# Altium PCB HDLab-v1.PcbDoc (part 2 of 2)
Units mm, origin at the board's own origin, x right, y up, seen from the top; angles counter-clockwise.
Board outline 142.6 x 82.6 mm, 2 copper layers (Top Layer, Bottom Layer); 120 components, 185 nets, 716 pads, 398 vias.
Unrouted connection lines stored in the file: 6.
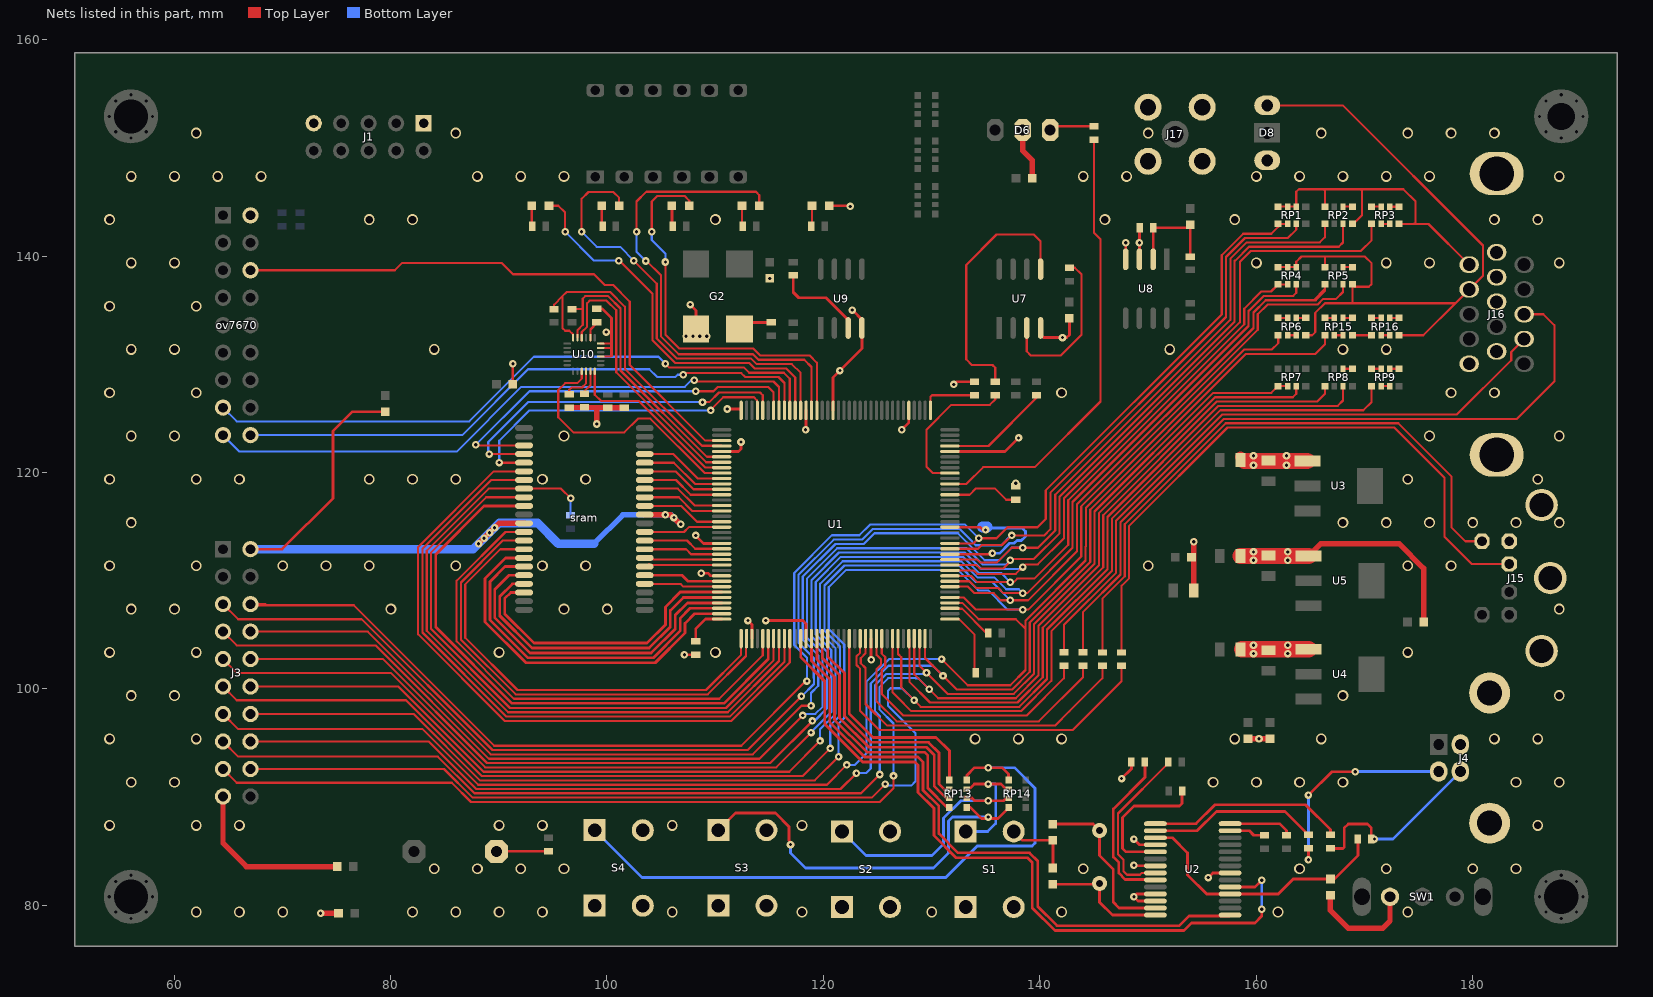
[diagram p2: the nets of this part, all layers, seen from the top]

## Via types
v1: diameter 0.7, hole 0.3, Top Layer to Bottom Layer, tented both sides, 254 vias
v2: diameter 1, hole 0.7, Top Layer to Bottom Layer, tented both sides, 144 vias

## Nets (pads, with @x,y where several pads share a name; then routed paths per layer and width w, separated by ;. In a path a pad name is that pad's centre, name@x,y a point inside that pad or via, vN(x,y) a via of type N, cw(c..) or ccw(c..) an arc to the next point about the centre after c; other vN are vias at no path point) (continued)
GND: C1.1 C2.2 C3.1 C4.1 C5.2 C6.2 C7.2 C8.2 C9.2 C10.2 C11.2 C12.2 C13.2 C14.2 C15.2 C16.2 C17.2 C18.2 C19.2 C20.2 C21.2 C23.1 C24.2 C25.1 C26.1 D1.2 D6.2 D8.1 G2.4 J1.1 J1.9 J3.2 J3.19 J4.4 J4.5 J4.6 J15.3 J15.S J16.5 J16.6 J16.7 J16.8 J16.10 J16.16 J16.17 J17.2 ov7670.2 R2.2 R3.2 R15.2 R18.2 R32.2 R41.2 S1.2 S2.2 S3.2 S4.2 sram.12 sram.34 SW1.1 U1.3 U1.13 U1.25 U1.49 U1.54 U1.68 U1.77 U1.91 U1.96 U1.108 U1.113 U1.130 U1.136 U2.7 U2.18 U2.21 U2.25 U2.26 U3.1 U4.1 U5.1 U7.4 U8.3 U8.4 U9.4 U10.15 U10.17 U10.18 | length 257.3
  Top Layer w0.2: U10.15@99.426,130.711 100.358,130.711 100.432,130.785 ; U10.17@99.426,131.511 100.366,131.511 100.432,131.445 ; U10.18@99.426,131.911 100.39,131.911 100.39,131.868
  Top Layer w0.254: J3.2@67.056,112.903 69.977,112.903 74.676,117.602 74.676,123.825 76.466,125.615 C13.2@79.502,125.615 ; C14.2@91.301,128.143 91.301,130.036 v1(91.313,130.048) ; C23.1@99.06,135.115 99.581,135.115 100.432,134.264 100.432,132.969 ; v1(99.949,132.969) 100.432,132.969 ; 100.432,130.785 100.432,131.445 100.432,132.969 ; v1(107.162,103.15) R3.2@108.204,103.15 R3.2@108.458,103.15 ; v1(107.696,135.509) 108.236,134.969 G2.4@108.236,132.255 ; v1(108.204,114.173) 108.938,113.439 U1.130@110.608,113.439 ; v1(108.712,110.668) 109.372,110.668 109.601,110.439 U1.136@110.608,110.439 ; U1.113@110.608,121.939 112.16,121.939 112.395,122.174 v1(112.395,122.809) ; v1(111.125,125.857) 112.29,125.857 U1.108@112.408,125.739 ; v1(113.03,106.299) 113.408,105.921 U1.3@113.408,104.639 ; v1(114.681,106.299) 118.11,106.299 118.408,106.001 U1.13@118.408,104.639 ; v1(118.364,123.952) 118.408,123.996 U1.96@118.408,125.739 ; D1.2@120.561,144.653 122.428,144.653 v1@122.555,144.526 ; U1.91@120.908,125.739 120.908,128.782 v1(121.539,129.413) 123.571,131.445 U9.4@123.571,133.35 123.571,134.112 v1(122.682,135.001) ; U1.25@124.408,104.639 124.408,102.708 v1(124.431,102.685) ; v1(127.254,123.952) 127.908,124.606 U1.77@127.908,125.739 ; U1.49@131.708,112.439 135.553,112.439 v1(135.636,112.522) ; U1.54@131.708,114.939 134.493,114.939 134.751,114.681 v1(135.001,114.681) ; U1.68@131.708,121.939 136.798,121.939 v1(138.049,123.19) ; v1(132.067,128.13) 132.308,128.371 R15.2@133.985,128.371 ; S1.2@137.605,86.804 138.418,85.991 C3.1@141.224,85.991 C1.1@141.224,83.427 ; U7.4@140.081,132.744 140.364,132.461 142.494,132.461 142.748,132.715 C17.2@142.748,134.251 ; v1(147.574,91.694) 148.489,92.609 R18.2@148.489,93.218 ; U8.4@147.955,139.7 v1(147.955,141.224) ; v1(148.717,86.106) 149.243,85.58 U2.18@150.703,85.58 ; v1@149.035,83.63 U2.21@150.703,83.63 ; U8.3@149.225,139.7 v1(149.225,141.224) 149.225,142.595 R32.2@149.251,142.621 ; U2.26@150.703,80.38 149.109,80.38 v1(148.717,80.772) 148.975,81.03 U2.25@150.703,81.03 ; v1(155.575,82.55) 156.005,82.98 U2.7@157.603,82.98
  Top Layer w0.5: J3.19@64.516,90.043 64.516,85.725 66.675,83.566 C15.2@75.069,83.566 ; v1(73.533,79.248) C21.2@75.196,79.248 ; v1(88.138,113.411) v1(89.616,114.889) 90.024,115.297 sram.12@92.342,115.297 ; C26.1@96.52,125.997 99.06,125.997 ; v1@99.06,124.46 99.06,125.997 ; C25.1@100.076,125.975 C24.2@101.6,125.975 ; 100.838,125.997 99.06,125.997 ; sram.34@103.492,116.097 105.899,116.097 v1@106.807,115.189 ; D6.2@138.43,151.638 138.43,149.733 139.307,148.856 C16.2@139.307,147.193 ; C2.2@154.239,109.093 v1(154.239,113.599) v1@154.305,113.665 ; C19.2@159.258,95.389 C18.2@161.29,95.389 ; U5.1@164.867,112.282 165.996,113.411 173.228,113.411 175.502,111.137 C20.2@175.502,106.172 ; C4.1@166.878,80.911 166.878,79.502 168.529,77.851 171.704,77.851 172.387,78.534 SW1.1@172.387,80.772
  Top Layer w1: C7.2@158.557,121.412 C7.2@158.924,121.045
  Top Layer w1.5: C5.2@158.557,112.268 158.571,112.282 U5.1@164.867,112.282 ; C6.2@158.698,103.646 U4.1@164.867,103.646 ; C7.2@158.924,121.045 U3.1@164.74,121.045
  Bottom Layer w0.254: v1(135.001,114.681) 135.065,114.617 135.129,114.617 135.363,114.85 138.388,114.85 138.684,114.554 138.684,114.088 138.303,113.707 137.905,113.707 137.655,113.457 137.237,113.457 136.302,112.522 v1(135.636,112.522)
  Bottom Layer w0.5: 98.806,113.411 101.473,116.078 105.942,116.078 v1(106.819,115.201)
  Bottom Layer w0.8: J3.2@67.056,112.903 87.63,112.903 v1(89.616,114.889) 90.043,115.316 93.599,115.316 95.504,113.411 98.806,113.411
  Bottom Layer w1: 134.726,114.956 v1@135.152,114.956
  other v1: 148.717,83.693 160.274,95.377 159.766,103.251 162.941,103.251 159.766,104.013 162.941,104.013 159.766,111.887 162.941,111.887 159.766,112.649 162.941,112.649 88.646,113.919 89.154,114.427 106.196,115.824 105.41,116.078 137.795,118.999 159.766,120.65 162.814,120.65 159.766,121.539 162.814,121.539 99.072,124.472 142.113,132.461 107.315,132.588 107.95,132.588 108.585,132.588 109.22,132.588 115.062,137.922 122.492,144.589
  other v2: 62.033,79.365 66.033,79.365 70.033,79.365 82.033,79.365 86.033,79.365 90.033,79.365 94.033,79.365 106.033,79.365 118.033,79.365 130.033,79.365 142.033,79.365 162.033,79.365 174.033,79.365 84.033,83.365 88.033,83.365 92.033,83.365 96.033,83.365 144.033,83.365 164.033,83.365 172.033,83.365 180.033,83.365 184.033,83.365 54.033,87.365 62.033,87.365 66.033,87.365 90.033,87.365 94.033,87.365 106.033,87.365 118.033,87.365 186.033,87.365 56.033,91.365 60.033,91.365 156.033,91.365 160.033,91.365 164.033,91.365 168.033,91.365 184.033,91.365 188.033,91.365 54.033,95.365 62.033,95.365 134.033,95.365 138.033,95.365 142.033,95.365 158.033,95.365 166.033,95.365 182.033,95.365 186.033,95.365 56.033,99.365 60.033,99.365 168.033,99.365 188.033,99.365 54.033,103.365 62.033,103.365 90.033,103.365 110.033,103.365 174.033,103.365 56.033,107.365 60.033,107.365 80.033,107.365 96.033,107.365 100.033,107.365 188.033,107.365 54.033,111.365 62.033,111.365 70.033,111.365 74.033,111.365 78.033,111.365 86.033,111.365 94.033,111.365 98.033,111.365 150.033,111.365 174.033,111.365 178.033,111.365 56.033,115.365 168.033,115.365 172.033,115.365 176.033,115.365 180.033,115.365 184.033,115.365 188.033,115.365 54.033,119.365 62.033,119.365 66.033,119.365 78.033,119.365 82.033,119.365 86.033,119.365 94.033,119.365 98.033,119.365 174.033,119.365 186.033,119.365 56.033,123.365 60.033,123.365 96.033,123.365 176.033,123.365 188.033,123.365 54.033,127.365 62.033,127.365 142.033,127.365 178.033,127.365 182.033,127.365 56.033,131.365 60.033,131.365 84.033,131.365 152.033,131.365 168.033,131.365 172.033,131.365 54.033,135.365 62.033,135.365 56.033,139.365 60.033,139.365 160.033,139.365 172.033,139.365 176.033,139.365 188.033,139.365 54.033,143.365 78.033,143.365 82.033,143.365 110.033,143.365 146.033,143.365 158.033,143.365 182.033,143.365 186.033,143.365 56.033,147.365 60.033,147.365 64.033,147.365 68.033,147.365 88.033,147.365 92.033,147.365 96.033,147.365 144.033,147.365 148.033,147.365 160.033,147.365 164.033,147.365 168.033,147.365 172.033,147.365 176.033,147.365 188.033,147.365 62.033,151.365 86.033,151.365 150.033,151.365 166.033,151.365 174.033,151.365 178.033,151.365 182.033,151.365
GREEN: D8.3 J16.2 RP4.6 RP4.7 RP4.8 RP5.4 RP5.8 RP6.4 RP16.4 | length 70.3
  Top Layer w0.2: D8.3@161.036,153.924 168.021,153.924 180.975,140.97 180.975,138.18 J16.2@179.705,136.91 178.431,135.636 ; RP4.8@162.047,138.976 RP4.7@162.922,138.976 RP4.6@163.722,138.976 163.722,139.465 164.211,139.954 170.053,139.954 170.688,139.319 170.688,137.414 170.434,137.16 169.131,137.16 RP5.4@168.915,137.376 168.915,135.641 ; RP6.4@164.597,132.677 165.189,132.677 165.481,132.969 165.481,134.747 166.37,135.636 178.431,135.636 ; RP5.8@166.365,138.976 166.365,139.822 ; RP16.4@173.233,132.677 175.472,132.677 178.431,135.636
HSWAPEN: R3.1 U1.144 | length 4
  Top Layer w0.254: R3.1@108.458,104.394 108.204,104.648 108.204,105.537 109.106,106.439 U1.144@110.608,106.439
HSYNC: R38.2 U1.26 | length 28.8
  Top Layer w0.2: U1.26@124.908,104.639 124.908,103.127 124.911,103.124 124.949,103.124 125.33,102.743 125.33,102.215 124.908,101.793 124.908,98.866 126.784,96.99 139.916,96.99 144.018,101.092 R38.2@144.018,102.134
INIT_B: R10.1 U1.39 | length 4.5
  Top Layer w0.2: U1.39@131.708,107.439 131.758,107.389 132.837,107.389 135.07,105.156 R10.1@135.255,105.156
IRDA: R33.1 U1.62 | length 41.5
  Top Layer w0.2: U1.62@131.708,118.939 133.246,118.939 134.792,120.485 139.549,120.485 145.624,126.56 145.624,141.537 145.034,142.127 R33.1@145.034,150.749
KEY1: RP13.4 U1.15 | length 23.9
  Top Layer w0.254: U1.15@119.408,104.639 119.408,102.713 121.046,101.075 121.046,97.119 124.023,94.142 129.364,94.142 129.667,93.839 129.667,90.805 131.45,89.022 RP13.4@131.661,89.022
KEY2: RP13.3 U1.16 | length 22.9
  Top Layer w0.254: U1.16@119.908,104.639 119.908,102.855 121.5,101.263 121.5,97.307 124.211,94.596 129.552,94.596 130.248,93.9 130.248,90.998 131.349,89.897 RP13.3@131.661,89.897
KEY3: RP13.2 U1.17 | length 22
  Top Layer w0.254: U1.17@120.408,104.639 120.408,102.997 121.954,101.451 121.954,97.495 124.399,95.05 129.74,95.05 130.702,94.088 130.702,91.186 131.191,90.697 RP13.2@131.661,90.697
KEY4: RP13.1 U1.21 | length 20.3
  Top Layer w0.254: U1.21@122.408,104.639 122.408,97.683 124.587,95.504 130.429,95.504 131.661,94.272 RP13.1@131.661,91.572
LED1: D3.2 U1.94 | length 36.6
  Top Layer w0.2: v1(104.14,142.24) 104.14,145.034 104.648,145.542 107.188,145.542 107.607,145.123 D3.2@107.607,144.653 ; v1(105.41,139.446) 105.41,132.715 106.68,131.445 113.538,131.445 114.173,130.81 118.745,130.81 119.408,130.147 U1.94@119.408,125.739
  Bottom Layer w0.2: v1(104.14,142.24) 104.14,141.478 105.41,140.208 v1(105.41,139.446)
LED2: D2.2 U1.95 | length 45.4
  Top Layer w0.2: v1(102.743,142.24) 102.743,145.034 103.651,145.942 113.773,145.942 114.084,145.631 D2.2@114.084,144.653 ; v1(103.6,139.541) 103.632,139.573 105.01,138.195 105.01,132.549 106.641,130.918 113.499,130.918 114.007,130.41 118.237,130.41 118.908,129.739 U1.95@118.908,125.739
  Bottom Layer w0.2: v1(102.743,142.24) 102.743,140.398 v1(103.6,139.541)
LED3: D4.2 U1.97 | length 39.8
  Top Layer w0.2: v1(97.663,142.24) 97.663,145.288 98.298,145.923 100.584,145.923 101.13,145.377 D4.2@101.13,144.653 ; v1(102.489,139.573) 104.61,137.452 104.61,132.384 106.476,130.518 113.334,130.518 113.842,130.01 117.094,130.01 117.908,129.196 U1.97@117.908,125.739
  Bottom Layer w0.2: v1(97.663,142.24) 99.06,140.843 101.219,140.843 v1(102.489,139.573)
LED4: D5.2 U1.98 | length 36.3
  Top Layer w0.2: D5.2@94.653,144.653 95.504,144.653 96.139,144.018 v1(96.139,142.24) ; v1(101.092,139.573) 100.965,139.446 101.277,139.446 104.21,136.513 104.21,132.218 106.31,130.118 113.157,130.118 113.665,129.61 116.576,129.61 117.408,128.778 U1.98@117.408,125.739
  Bottom Layer w0.2: v1(96.139,142.24) 98.806,139.573 100.838,139.573 100.965,139.446 v1(101.092,139.573)
M0: R1.1 U1.69 | length 10.1
  Top Layer w0.2: U1.69@131.708,122.439 135.266,122.439 139.7,126.873 R1.1@139.7,127.127
M1: R2.1 U1.60 | length 6.8
  Top Layer w0.2: U1.60@131.708,117.939 133.53,117.939 134.112,118.521 135.86,118.521 136.906,117.475 R2.1@137.795,117.475
MOSI: R16.2 U1.64 | length 13.8
  Top Layer w0.2: U1.64@131.708,119.939 130.124,119.939 129.54,120.523 129.54,123.952 131.826,126.238 135.382,126.238 135.89,126.746 R16.2@135.89,127.153
MPU-D0: U1.117 U10.9 | length 24.1
  Top Layer w0.2: U10.9@97.676,129.361 97.676,128.664 97.266,128.254 97.184,128.254 97.181,128.251 96.139,128.251 95.504,127.616 95.504,125.095 96.901,123.698 101.6,123.698 102.87,124.968 104.013,124.968 109.042,119.939 U1.117@110.608,119.939
MPU-D1: U1.116 U10.12 | length 16.7
  Top Layer w0.2: U10.12@98.876,129.361 98.876,127.184 99.463,126.597 102.95,126.597 109.108,120.439 U1.116@110.608,120.439
MPU-D2: R43.2 U1.112 U10.24 | length 31.9
  Top Layer w0.2: R43.2@95.123,135.102 95.123,135.509 95.885,136.271 ; U10.24@96.876,132.461 96.876,132.74 96.52,133.096 96.139,133.096 95.885,133.35 95.885,136.271 ; 108.805,122.439 U1.112@110.608,122.439 110.558,122.489 108.755,122.489 101.659,129.585 101.659,135.312 100.28,136.69 96.304,136.69 95.885,136.271
MPU-D3: R44.2 U1.114 U10.23 | length 27.3
  Top Layer w0.2: R44.2@96.774,135.102 97.67,135.102 97.771,135.001 ; U10.23@97.276,132.461 97.276,133.147 97.771,133.643 97.771,135.001 ; U1.114@110.608,121.439 109.239,121.439 101.259,129.42 101.259,135.146 100.115,136.29 98.005,136.29 97.771,136.056 97.771,135.001
MPU-D4: U1.115 U10.22 | length 25.7
  Top Layer w0.2: U10.22@97.676,132.207 97.676,132.982 98.171,133.477 98.171,135.636 98.425,135.89 99.949,135.89 100.859,134.98 100.859,129.254 109.173,120.939 U1.115@110.608,120.939
NetC1_2: C1.2 G1.2 U2.28 | length 11.8
  Top Layer w0.254: C1.2@141.224,81.927 145.454,81.927 G1.2@145.542,82.015 145.542,80.264 146.726,79.08 U2.28@150.703,79.08
NetC3_2: C3.2 G1.1 U2.27 | length 15.8
  Top Layer w0.254: C3.2@141.224,87.491 144.946,87.491 G1.1@145.542,86.895 145.542,84.582 146.812,83.312 146.812,80.264 147.346,79.73 U2.27@150.703,79.73
NetC4_2: C4.2 R20.1 U2.4 U2.17 | length 25.1
  Top Layer w0.254: U2.17@150.703,86.23 152.276,86.23 153.67,84.836 153.67,82.804 155.444,81.03 U2.4@157.603,81.03 162.056,81.03 163.437,82.411 C4.2@166.878,82.411 167.247,82.411 169.418,84.582 R20.1@169.418,86.106
NetC22_2: C22.2 R17.1 R32.1 U8.2 | length 9.4
  Top Layer w0.254: U8.2@150.495,139.7 R32.1@150.495,142.621 153.658,142.621 C22.2@153.924,142.887 R17.1@153.924,139.954
NetC23_2: C23.2 U10.20 | length 1.9
  Top Layer w0.2: U10.20@98.476,132.207 U10.20@98.476,132.461 98.476,133.216 99.06,133.8 C23.2@99.06,133.871
NetC26_2: C26.2 U10.10 | length 3.2
  Top Layer w0.2: C26.2@96.52,127.368 96.52,127.635 96.736,127.851 97.347,127.851 97.35,127.854 97.697,127.854 98.076,128.232 U10.10@98.076,129.361
NetD1_1: D1.1 R25.2 | length 1.8
  Top Layer w0.2: R25.2@118.961,142.811 D1.1@118.961,144.653
NetD2_1: D2.1 R26.2 | length 1.8
  Top Layer w0.2: R26.2@112.484,142.812 D2.1@112.484,144.653
NetD3_1: D3.1 R28.2 | length 1.9
  Top Layer w0.254: D3.1@106.007,144.653 106.007,142.812 R28.2@106.071,142.748
NetD4_1: D4.1 R29.2 | length 1.8
  Top Layer w0.2: R29.2@99.53,142.812 D4.1@99.53,144.653
NetD5_1: D5.1 R30.2 | length 1.8
  Top Layer w0.2: R30.2@93.053,142.812 D5.1@93.053,144.653
NetD6_1: D6.1 R33.2 | length 4.2
  Top Layer w0.254: D6.1@140.97,151.638 141.325,151.993 R33.2@145.034,151.993
NetG2_3: G2.1 R12.1 | length 3.1
  Top Layer w0.254: G2.1@112.236,133.398 112.696,133.858 R12.1@115.189,133.858
NetJ4_2: J4.2 R22.2 | length 20
  Top Layer w0.254: v1(164.846,84.201) R22.2@164.846,85.243 ; v1(164.846,90.17) 167.005,92.329 v1(169.164,92.329)
  Bottom Layer w0.254: v1(164.846,84.201) v1(164.846,90.17) ; v1(169.164,92.329) 169.184,92.349 J4.2@176.887,92.349
NetJ4_3: J4.3 R20.2 R24.2 | length 17.5
  Top Layer w0.254: R24.2@166.878,85.243 168.047,85.243 168.148,85.344 168.148,87.122 168.529,87.503 170.307,87.503 170.662,87.148 R20.2@170.662,86.106
  Bottom Layer w0.254: v1(170.942,86.106) 172.644,86.106 J4.3@178.887,92.349
NetJ15_1: J15.1 R35.2 | length 59.3
  Top Layer w0.2: R35.2@147.574,103.352 147.574,109.532 148.272,110.23 148.272,115.056 157.365,124.149 172.777,124.149 177.419,119.507 177.419,114.046 179.929,111.536 J15.1@183.397,111.536
NetJ15_5: J15.5 R36.2 | length 56.9
  Top Layer w0.2: R36.2@145.796,103.352 145.796,108.32 147.872,110.396 147.872,115.222 157.199,124.549 173.139,124.549 178.054,119.634 178.054,114.935 179.353,113.636 J15.5@180.897,113.636
NetJ16_13: J16.13 R38.1 | length 67.4
  Top Layer w0.2: R38.1@144.018,103.378 144.018,107.108 147.472,110.562 147.472,115.388 157.033,124.949 184.131,124.949 187.579,128.397 187.579,133.604 186.563,134.62 J16.13@184.785,134.62
NetJ16_14: J16.14 R39.1 | length 59.3
  Top Layer w0.2: R39.1@142.24,103.378 142.24,105.895 147.072,110.727 147.072,115.553 156.868,125.349 178.562,125.349 183.585,130.372 183.585,131.13 J16.14@184.785,132.33
NetLS1_-: LS1.- R27.2 | length 4.8
  Top Layer w0.2: LS1.-@89.789,84.963 89.815,84.989 R27.2@94.615,84.989
NetR13_2: R13.2 U7.3 | length 14.5
  Top Layer w0.2: U7.3@138.811,132.744 138.811,131.191 139.192,130.81 141.958,130.81 143.863,132.715 143.863,138.303 143.253,138.912 R13.2@142.748,138.912
NetR16_1: R16.1 U7.5 | length 23.1
  Top Layer w0.2: R16.1@135.89,128.397 135.89,129.667 135.636,129.921 133.731,129.921 133.208,130.444 133.208,139.177 136.017,141.986 139.446,141.986 140.081,141.351 U7.5@140.081,139.544
NetR18_1: R18.1 U2.23 | length 15.3
  Top Layer w0.254: R18.1@149.733,93.218 149.733,91.821 146.812,88.9 146.812,84.455 147.32,83.947 147.32,82.962 147.905,82.377 150.656,82.377 U2.23@150.703,82.33
NetR19_1: R19.1 U2.22 | length 15.3
  Top Layer w0.2: U2.22@150.703,82.98 149.448,82.98 149.272,82.804 148.082,82.804 147.747,83.139 147.747,84.201 147.239,84.709 147.239,88.469 R19.1@151.892,93.122
NetR21_2: R21.2 U2.13 | length 3.4
  Top Layer w0.254: U2.13@157.603,86.88 159.373,86.88 159.792,86.461 R21.2@160.782,86.461
NetR22_1: R22.1 U2.16 | length 15.8
  Top Layer w0.254: U2.16@150.703,86.88 154.571,86.88 156.337,88.646 162.687,88.646 R22.1@164.846,86.487
NetR23_2: R23.2 U2.14 | length 5.9
  Top Layer w0.254: U2.14@157.603,87.53 162.179,87.53 162.814,86.895 R23.2@162.814,86.461
NetR24_1: R24.1 U2.15 | length 18.4
  Top Layer w0.254: U2.15@150.703,87.53 154.459,87.53 156.21,89.281 164.592,89.281 166.878,86.995 R24.1@166.878,86.487
NetR31_2: R31.2 U9.3 | length 8.3
  Top Layer w0.254: R31.2@117.221,138.202 117.221,136.652 117.729,136.144 120.269,136.144 122.301,134.112 U9.3@122.301,133.477
NetR37_1: R37.1 U2.19 | length 13.2
  Top Layer w0.254: U2.19@150.703,84.93 147.988,84.93 147.666,85.252 147.666,88.103 148.717,89.154 152.908,89.154 153.162,89.408 R37.1@153.162,90.551
NetR41_1: R41.1 U10.11 | length 2.1
  Top Layer w0.2: R41.1@97.917,127.508 98.476,128.067 U10.11@98.476,129.361
NetRP2_5: RP2.5 RP2.6 | length 0.9
  Top Layer w0.2: RP2.6@168.04,144.564 RP2.5@168.915,144.564
NetRP3_2: RP3.2 RP3.3 | length 0.8
  Top Layer w0.2: RP3.2@171.558,142.964 RP3.3@172.358,142.964
NetRP3_5: RP3.5 RP3.6 | length 0.9
  Top Layer w0.254: RP3.6@172.358,144.564 RP3.5@173.233,144.564
NetRP3_7: RP3.7 RP3.8 | length 0.9
  Top Layer w0.2: RP3.8@170.683,144.564 RP3.7@171.558,144.564
NetRP5_5: RP5.5 RP5.6 | length 0.9
  Top Layer w0.2: RP5.6@168.04,138.976 RP5.5@168.915,138.976
NetRP6_2: RP6.2 RP6.3 | length 0.8
  Top Layer w0.2: RP6.2@162.922,132.677 RP6.3@163.722,132.677
NetRP6_5: RP6.5 RP6.6 | length 0.9
  Top Layer w0.2: RP6.6@163.722,134.277 RP6.5@164.597,134.277
NetRP6_7: RP6.7 RP6.8 | length 0.9
  Top Layer w0.2: RP6.8@162.047,134.277 RP6.7@162.922,134.277
NetRP8_5: RP8.5 RP8.6 | length 0.9
  Top Layer w0.2: RP8.6@168.04,129.578 RP8.5@168.915,129.578
NetRP9_2: RP9.2 RP9.3 | length 0.8
  Top Layer w0.2: RP9.2@171.558,127.978 RP9.3@172.358,127.978
NetRP9_5: RP9.5 RP9.6 | length 0.9
  Top Layer w0.2: RP9.6@172.358,129.578 RP9.5@173.233,129.578
NetRP9_7: RP9.7 RP9.8 | length 0.9
  Top Layer w0.2: RP9.8@170.683,129.578 RP9.7@171.558,129.578
NetRP15_2: RP15.2 RP15.3 | length 0.8
  Top Layer w0.2: RP15.2@167.24,132.677 RP15.3@168.04,132.677
NetRP15_4: RP15.4 RP16.1 | length 1.8
  Top Layer w0.2: RP15.4@168.915,132.677 RP16.1@170.683,132.677
NetRP15_5: RP15.5 RP15.6 | length 0.9
  Top Layer w0.2: RP15.6@168.04,134.277 RP15.5@168.915,134.277
NetRP15_7: RP15.7 RP15.8 | length 0.9
  Top Layer w0.2: RP15.8@166.365,134.277 RP15.7@167.24,134.277
NetRP16_2: RP16.2 RP16.3 | length 0.8
  Top Layer w0.2: RP16.2@171.558,132.677 RP16.3@172.358,132.677
NetRP16_5: RP16.5 RP16.6 | length 0.9
  Top Layer w0.2: RP16.6@172.358,134.277 RP16.5@173.233,134.277
NetRP16_7: RP16.7 RP16.8 | length 0.9
  Top Layer w0.2: RP16.8@170.683,134.277 RP16.7@171.558,134.277
OV-OC: ov7670.17 U1.101 | length 57.4
  Top Layer w0.2: ov7670.17@64.516,123.444 ov7670.17@64.516,123.571 ; v1@108.077,128.46 108.013,128.397 115.4,128.397 115.908,127.889 U1.101@115.908,125.739
  Bottom Layer w0.2: ov7670.17@64.516,123.444 66.04,121.92 86.106,121.92 92.094,127.908 107.188,127.908 107.804,128.524 v1(108.077,128.524)
OV-OD: ov7670.18 U1.100 | length 55.2
  Top Layer w0.2: v1(107.061,129.032) 107.203,129.174 112.412,129.174 112.776,128.81 115.868,128.81 116.408,128.27 U1.100@116.408,125.739
  Bottom Layer w0.2: ov7670.18@67.056,123.444 86.614,123.444 92.71,129.54 103.918,129.54 104.648,128.81 106.331,128.81 106.553,129.032 v1(107.061,129.032)
OV-PO: ov7670.15 U1.99 | length 59.1
  Top Layer w0.2: v1(105.41,130.048) 105.776,129.682 112.685,129.682 113.157,129.21 116.349,129.21 116.908,128.651 U1.99@116.908,125.739
  Bottom Layer w0.2: ov7670.15@64.516,125.984 65.786,124.714 87.279,124.714 93.248,130.683 104.775,130.683 v1(105.41,130.048)
OV-RES: ov7670.6 U1.111 | length 54.1
  Top Layer w0.2: ov7670.6@67.056,138.684 80.391,138.684 81.049,139.342 90.297,139.342 91.322,138.317 98.8,138.317 99.794,137.323 100.571,137.323 102.108,135.786 102.108,129.921 109.09,122.939 U1.111@110.608,122.939
PROGRAM_B: R11.1 U1.37 | length 6.5
  Top Layer w0.2: U1.37@131.708,106.439 132.556,106.439 133.966,105.029 133.966,101.619 R11.1@134.112,101.473
PS2_CLK: R36.1 U1.24 | length 32.1
  Top Layer w0.2: U1.24@123.908,104.639 123.908,103.276 123.463,102.831 123.463,102.365 123.908,101.92 123.908,98.596 125.914,96.59 141.421,96.59 142.748,97.917 145.796,100.965 R36.1@145.796,102.108
PS2_DAT: R35.1 U1.23 | length 35.1
  Top Layer w0.2: U1.23@123.408,104.639 123.408,103.342 123.063,102.997 123.063,102.199 123.408,101.854 123.408,97.953 125.171,96.19 143.053,96.19 147.574,100.711 R35.1@147.574,102.108
RED: J16.1 RP1.6 RP1.7 RP1.8 RP2.4 RP2.8 RP3.4 | length 30.2
  Top Layer w0.2: RP1.8@162.047,144.564 RP1.7@162.922,144.564 RP1.6@163.722,144.564 163.722,145.942 163.957,146.177 166.243,146.177 ; RP2.8@166.365,144.564 166.365,146.055 166.243,146.177 ; RP2.4@168.915,142.964 168.999,142.964 169.799,143.764 169.799,146.05 169.672,146.177 ; RP3.4@173.233,142.964 174.587,142.964 ; J16.1@179.705,139.2 175.941,142.964 174.587,142.964 ; 166.243,146.177 169.672,146.177 ; 169.672,146.177 173.609,146.177 174.752,145.034 174.752,143.129 174.587,142.964
RSTN: RP13.8 RP14.1 S4.1 | length 59.4
  Top Layer w0.254: RP13.8@133.261,91.572 133.261,91.986 133.985,92.71 v1(135.255,92.71) 136.525,92.71 137.122,92.113 RP14.1@137.122,91.572
  Bottom Layer w0.254: S4.1@98.87,86.931 103.251,82.55 131.318,82.55 134.23,85.462 139.31,85.462 139.573,85.725 139.573,90.805 137.668,92.71 v1(135.255,92.71)
RXD: U1.12 U2.5 | length 69.6
  Top Layer w0.254: U1.12@117.908,104.639 117.908,102.929 120.138,100.699 120.138,96.743 123.647,93.234 128.489,93.234 128.759,92.964 128.759,90.429 130.229,88.959 130.229,86.426 132.273,84.382 138.877,84.382 139.319,83.94 139.319,79.749 141.417,77.651 153.343,77.651 154.051,78.359 159.893,78.359 160.528,78.994 v1(160.528,79.629) ; U2.5@157.603,81.68 159.912,81.68 v1(160.528,82.296)
  Bottom Layer w0.254: v1(160.528,79.629) v1(160.528,82.296)
SDRAM_A0: sram.3 U1.102 | length 36.6
  Top Layer w0.2: v1@87.942,122.497 sram.3@92.977,122.497 ; v1(108.204,127.508) 109.855,127.508 110.236,127.889 114.9,127.889 115.408,127.381 U1.102@115.408,125.739
  Bottom Layer w0.2: v1(87.884,122.555) 92.837,127.508 v1(108.204,127.508)
SDRAM_A1: sram.4 U1.104 | length 33.8
  Top Layer w0.2: v1(89.123,121.697) sram.4@92.977,121.697 ; v1(108.839,126.492) 109.474,126.492 110.363,127.381 114.154,127.381 114.408,127.127 U1.104@114.408,125.739
  Bottom Layer w0.2: v1(89.123,121.697) 89.027,121.793 89.027,122.809 92.71,126.492 v1(108.839,126.492)
SDRAM_A2: sram.5 U1.105 | length 31.5
  Top Layer w0.2: v1(90.043,120.904) 90.05,120.897 sram.5@92.977,120.897 ; v1(109.601,125.73) 109.601,125.796 110.744,126.939 113.594,126.939 113.858,126.675 113.858,125.789 U1.105@113.908,125.739
  Bottom Layer w0.2: v1(90.043,120.904) 90.043,122.936 92.837,125.73 v1(109.601,125.73)
SDRAM_A3: sram.6 U1.10 | length 63.5
  Top Layer w0.2: sram.6@92.977,120.097 sram.6@92.342,120.097 89.545,120.097 82.55,113.102 82.55,111.633 82.55,105.029 90.551,97.028 111.506,97.028 116.908,102.43 U1.10@116.908,104.639
SDRAM_A4: sram.7 U1.9 | length 61.3
  Top Layer w0.2: sram.7@92.977,119.297 sram.7@92.342,119.297 89.311,119.297 82.95,112.936 82.95,105.195 90.717,97.428 111.34,97.428 116.408,102.496 U1.9@116.408,104.639
SDRAM_A5: sram.16 U1.143 | length 34.9
  Top Layer w0.254: sram.16@92.977,112.097 90.634,112.097 88.735,110.198 88.735,106.182 92.509,102.408 104.468,102.408 107.226,105.166 107.226,106.045 108.12,106.939 U1.143@110.608,106.939
SDRAM_A6: sram.17 U1.142 | length 33.3
  Top Layer w0.254: sram.17@92.977,111.297 90.596,111.297 89.189,109.89 89.189,106.37 92.697,102.862 104.28,102.862 106.772,105.354 106.772,106.512 107.699,107.439 U1.142@110.608,107.439
SDRAM_A7: sram.18 U1.141 | length 31.5
  Top Layer w0.254: sram.18@92.977,110.497 90.939,110.497 89.643,109.201 89.643,106.558 92.885,103.316 104.092,103.316 106.318,105.542 106.318,106.812 107.445,107.939 U1.141@110.608,107.939
SDRAM_A8: sram.19 U1.140 | length 29.7
  Top Layer w0.254: sram.19@92.977,109.697 91.275,109.697 90.097,108.519 90.097,106.746 93.073,103.77 103.904,103.77 105.864,105.73 105.864,107.242 107.061,108.439 U1.140@110.608,108.439
SDRAM_A9: sram.20 U1.139 | length 28.2
  Top Layer w0.254: sram.20@92.977,108.897 91.117,108.897 90.551,108.331 90.551,106.934 93.261,104.224 103.716,104.224 105.41,105.918 105.41,107.569 106.78,108.939 U1.139@110.608,108.939
SDRAM_A10: sram.26 U1.138 | length 6.6
  Top Layer w0.2: sram.26@104.127,109.697 106.807,109.697 107.065,109.439 U1.138@110.608,109.439
SDRAM_A11: sram.27 U1.137 | length 6.7
  Top Layer w0.254: sram.27@104.127,110.497 106.934,110.497 107.492,109.939 U1.137@110.608,109.939
SDRAM_A12: sram.28 U1.134 | length 6.8
  Top Layer w0.2: sram.28@103.886,111.522 103.969,111.439 U1.134@110.608,111.439
SDRAM_A13: sram.29 U1.133 | length 6.4
  Top Layer w0.2: sram.29@104.21,112.014 104.285,111.939 U1.133@110.608,111.939
SDRAM_A14: sram.30 U1.132 | length 6.7
  Top Layer w0.2: sram.30@104.127,112.897 107.321,112.897 107.779,112.439 U1.132@110.608,112.439
SDRAM_A15: sram.38 U1.121 | length 7
  Top Layer w0.2: sram.38@104.127,119.297 106.382,119.297 107.74,117.939 U1.121@110.608,117.939
SDRAM_A16: sram.39 U1.120 | length 7.2
  Top Layer w0.2: sram.39@104.127,120.097 106.344,120.097 108.002,118.439 U1.120@110.608,118.439
SDRAM_A17: sram.40 U1.119 | length 7.3
  Top Layer w0.2: sram.40@104.127,120.897 106.179,120.897 108.137,118.939 U1.119@110.608,118.939
SDRAM_A18: sram.41 U1.118 | length 7.4
  Top Layer w0.2: sram.41@104.127,121.697 106.141,121.697 108.399,119.439 U1.118@110.608,119.439
SDRAM_CS_N: R42.2 sram.8 U1.8 | length 64.7
  Top Layer w0.2: v1(96.647,117.602) 95.752,118.497 sram.8@92.342,118.497 89.076,118.497 83.35,112.771 83.35,105.36 90.882,97.828 111.175,97.828 115.908,102.561 U1.8@115.908,104.639
  Bottom Layer w0.2: R42.2@96.647,116.052 v1(96.647,117.602)
SDRAM_DQ0: sram.9 U1.7 | length 56.9
  Top Layer w0.2: sram.9@92.976,117.698 92.342,117.698 88.842,117.697 83.75,112.605 83.75,105.526 91.048,98.228 111.009,98.228 115.408,102.627 U1.7@115.408,104.639
SDRAM_DQ1: sram.10 U1.6 | length 54.9
  Top Layer w0.254: sram.10@92.977,116.897 sram.10@92.342,116.897 88.646,116.897 84.177,112.428 84.177,105.703 91.225,98.655 110.832,98.655 114.908,102.731 U1.6@114.908,104.639 U1.6@114.908,104.879
SDRAM_DQ2: sram.13 U1.5 | length 48
  Top Layer w0.2: sram.13@92.977,114.497 sram.13@92.342,114.497 90.621,114.497 86.106,109.982 86.106,104.378 91.402,99.082 110.385,99.082 114.408,103.105 U1.5@114.408,104.639
SDRAM_DQ3: sram.14 U1.2 | length 44.9
  Top Layer w0.2: sram.14@92.977,113.697 sram.14@92.342,113.697 90.387,113.697 86.506,109.816 86.506,104.543 91.567,99.482 109.319,99.482 112.858,103.021 112.858,104.589 U1.2@112.908,104.639
SDRAM_DQ4: sram.31 U1.131 | length 6.8
  Top Layer w0.2: sram.31@104.127,113.697 107.41,113.697 108.168,112.939 U1.131@110.608,112.939
SDRAM_DQ5: sram.32 U1.127 | length 6.7
  Top Layer w0.2: sram.32@104.127,114.497 107.131,114.497 107.573,114.939 U1.127@110.608,114.939
SDRAM_DQ6: sram.35 U1.126 | length 7.1
  Top Layer w0.2: sram.35@104.127,116.897 106.873,116.897 108.331,115.439 U1.126@110.608,115.439
SDRAM_DQ7: sram.36 U1.124 | length 7
  Top Layer w0.2: sram.36@104.127,117.697 106.639,117.697 107.897,116.439 U1.124@110.608,116.439
SDRAM_OEN: sram.37 U1.123 | length 7.1
  Top Layer w0.2: sram.37@104.127,118.497 106.547,118.497 108.105,116.939 U1.123@110.608,116.939
SDRAM_WE_N: sram.15 U1.1 | length 42.1
  Top Layer w0.2: sram.15@92.342,112.897 90.152,112.897 86.906,109.651 86.906,104.709 91.733,99.882 109.153,99.882 112.408,103.137 U1.1@112.408,104.639
SUSPEND: R15.1 U1.73 | length 5.4
  Top Layer w0.2: U1.73@129.908,125.739 129.908,126.987 130.048,127.127 R15.1@133.985,127.127
TXD: U1.14 U2.1 | length 59.1
  Top Layer w0.254: U1.14@118.908,104.639 118.908,102.571 120.592,100.887 120.592,96.931 123.835,93.688 128.743,93.688 129.213,93.218 129.213,90.617 130.683,89.147 130.683,86.614 132.461,84.836 139.065,84.836 139.827,84.074 139.827,79.883 141.605,78.105 152.908,78.105 153.797,78.994 157.516,78.994 U2.1@157.603,79.08
UKEY1: RP13.5 RP14.4 S3.1 | length 37.8
  Top Layer w0.254: S3.1@110.299,86.931 111.887,88.519 115.57,88.519 116.84,87.249 116.84,85.979 117.221,85.598 v1(116.967,85.598) ; RP13.5@133.261,89.022 133.609,89.022 134.62,88.011 136.144,88.011 137.122,88.989 RP14.4@137.122,89.022
  Bottom Layer w0.254: v1(116.967,85.598) 116.967,84.836 118.364,83.439 130.175,83.439 131.572,84.836 131.572,87.766 131.953,88.147 135.246,88.147 v1(135.255,88.138)
UKEY2: RP13.6 RP14.3 S2.1 | length 22.3
  Top Layer w0.254: S2.1@121.73,86.804 S2.1@121.73,87.058 ; RP13.6@133.261,89.897 133.75,89.897 133.994,89.653 v1(135.255,89.653) 136.665,89.653 136.91,89.897 RP14.3@137.122,89.897
  Bottom Layer w0.254: S2.1@121.73,86.804 123.952,84.582 130.048,84.582 131.118,85.652 131.118,88.056 132.715,89.653 v1(135.255,89.653)
UKEY3: RP13.7 RP14.2 S1.1 | length 11.6
  Top Layer w0.254: RP13.7@133.261,90.697 133.473,90.697 133.962,91.186 v1(135.255,91.186) 136.421,91.186 136.91,90.697 RP14.2@137.122,90.697
  Bottom Layer w0.254: S1.1@133.16,86.804 135.191,86.804 135.932,87.545 135.932,91.144 135.89,91.186 v1(135.255,91.186)
VB0: RP9.1 U1.29 | length 68.8
  Top Layer w0.2: U1.29@126.408,104.639 126.408,99.652 126.873,99.187 128.13,97.93 138.281,97.93 141.084,100.733 141.084,105.305 146.672,110.893 146.672,115.719 156.702,125.749 169.926,125.749 170.683,126.506 RP9.1@170.683,127.978
VB1: J3.18 RP8.3 U1.30 | length 140.5
  Top Layer w0.2: J3.18@67.056,92.583 84.948,92.583 87.596,89.935 124.479,89.935 v1(125.73,91.186) ; U1.30@126.908,104.639 126.908,103.216 127.2,102.924 127.2,100.13 v1(128.397,98.933) 129,98.33 138.115,98.33 140.684,100.899 140.684,105.471 146.272,111.059 146.272,115.885 156.536,126.149 167.551,126.149 168.04,126.638 RP8.3@168.04,127.978
  Bottom Layer w0.2: v1(125.73,91.186) 125.872,91.044 128.128,91.044 128.524,91.44 128.524,95.885 125.984,98.425 125.984,99.822 126.208,100.046 127.284,100.046 v1(128.397,98.933)
VB2: RP8.1 U1.32 | length 61.3
  Top Layer w0.2: U1.32@127.908,104.639 127.958,104.589 127.958,100.642 129.87,98.73 137.95,98.73 140.284,101.064 140.284,105.636 145.872,111.224 145.872,116.05 156.371,126.549 165.665,126.549 166.365,127.249 RP8.1@166.365,127.978
VB3: J3.17 RP7.3 U1.33 | length 136.4
  Top Layer w0.2: J3.17@64.516,92.583 65.786,91.313 85.653,91.313 87.431,89.535 99.713,89.535 125.222,89.535 126.492,90.805 v1(126.492,91.948) ; U1.33@128.408,104.639 128.408,101.335 v1(129.794,99.949) 130.613,99.13 137.784,99.13 139.884,101.23 139.884,105.802 145.472,111.39 145.472,116.216 156.205,126.949 163.398,126.949 163.722,127.273 RP7.3@163.722,127.978
  Bottom Layer w0.2: v1(126.492,91.948) 126.492,96.786 125.184,98.094 125.184,100.153 126.011,100.98 128.539,100.98 128.554,100.965 128.778,100.965 v1(129.794,99.949)
VB4: J3.15 RP7.1 RP7.2 U1.34 | length 132
  Top Layer w0.2: J3.15@64.516,95.123 65.913,93.726 84.371,93.726 87.762,90.335 123.482,90.335 v1(125.222,92.075) ; U1.34@128.908,104.639 128.908,102.105 v1(129.54,101.473) 131.483,99.53 137.618,99.53 139.484,101.396 139.484,105.968 145.072,111.556 145.072,116.382 156.039,127.349 161.418,127.349 RP7.1@162.047,127.978 RP7.2@162.922,127.978
  Bottom Layer w0.2: v1(125.222,92.075) 125.222,97.49 124.784,97.928 124.784,100.319 125.845,101.38 129.447,101.38 v1(129.54,101.473)
VG0: J3.16 RP15.1 U1.35 | length 135.1
  Top Layer w0.2: J3.16@67.056,95.123 83.54,95.123 87.928,90.735 121.596,90.735 v1(123.063,92.202) ; U1.35@129.408,104.639 129.408,102.845 v1(131.064,101.189) 132.323,99.93 137.453,99.93 139.084,101.561 139.084,106.133 144.672,111.721 144.672,116.547 159.081,130.956 165.5,130.956 166.365,131.821 RP15.1@166.365,132.677
  Bottom Layer w0.2: v1(123.063,92.202) 123.952,92.202 124.384,92.634 124.384,100.485 126.022,102.123 130.13,102.123 v1(131.064,101.189)
VG1: J3.13 RP6.1 U1.40 | length 137.2
  Top Layer w0.2: J3.13@64.516,97.663 65.913,96.266 82.962,96.266 88.093,91.135 120.345,91.135 v1(122.174,92.964) ; v1(130.937,102.743) 133.35,100.33 137.287,100.33 138.684,101.727 138.684,105.537 ; U1.40@131.708,107.939 132.853,107.939 134.366,106.426 137.795,106.426 138.684,105.537 ; 144.244,113.157 144.244,111.859 138.684,106.299 138.684,105.537 ; 144.272,113.157 144.272,116.713 158.915,131.356 161.455,131.356 162.047,131.948 RP6.1@162.047,132.677
  Bottom Layer w0.2: v1(122.174,92.964) 122.936,92.964 123.984,94.012 123.984,100.65 126.077,102.743 v1(130.937,102.743)
VG2: J3.14 RP5.3 U1.41 | length 147.6
  Top Layer w0.2: J3.14@67.056,97.663 82.131,97.663 88.259,91.535 119.221,91.535 v1(121.412,93.726) ; U1.41@131.708,108.439 132.988,108.439 134.112,107.315 v1(138.43,107.315) 138.938,107.315 143.844,112.221 143.844,116.862 160.166,133.184 160.166,134.62 161.055,135.509 165.677,135.509 166.204,136.036 167.405,136.036 168.04,136.671 RP5.3@168.04,137.376
  Bottom Layer w0.2: v1(121.412,93.726) 121.412,96.774 121.941,97.303 121.941,104.09 120.509,105.522 120.509,109.376 122.121,110.988 132.418,110.988 134.313,109.093 135.255,109.093 137.033,107.315 v1(138.43,107.315)
VG3: J3.11 RP5.1 U1.43 | length 148.4
  Top Layer w0.2: J3.11@64.516,100.203 65.786,98.933 81.427,98.933 88.425,91.935 118.097,91.935 v1(120.65,94.488) ; U1.43@131.708,109.439 133.385,109.439 133.985,108.839 135.763,108.839 136.413,108.189 v1(137.287,108.189) 138.938,108.189 143.444,112.695 143.444,117.028 159.766,133.35 159.766,134.786 160.899,135.919 165.325,135.919 ; RP5.1@166.365,137.376 166.365,136.959 ; 165.325,135.919 165.521,135.919 166.365,136.762 166.365,136.959 ; 165.325,135.919 166.365,136.959
  Bottom Layer w0.2: v1(120.65,94.488) 120.65,96.628 121.541,97.519 121.541,103.925 120.109,105.356 120.109,109.542 121.955,111.388 132.584,111.388 134.1,109.872 135.604,109.872 v1(137.287,108.189)
VG4: J3.12 RP4.3 U1.44 | length 141.8
  Top Layer w0.2: J3.12@67.056,100.203 80.723,100.203 88.591,92.335 116.857,92.335 v1(119.703,95.181) v1@119.761,95.123 ; U1.44@131.708,109.939 133.52,109.939 134.131,109.328 136.144,109.328 136.633,108.839 v1(138.43,108.839) 138.853,108.839 143.044,113.03 143.044,117.272 159.307,133.535 159.307,134.962 159.377,134.962 160.733,136.319 163.449,136.319 163.722,136.592 RP4.3@163.722,137.376
  Bottom Layer w0.2: v1(119.703,95.181) 119.703,96.247 121.141,97.685 121.141,103.759 119.709,105.191 119.709,109.708 121.789,111.788 132.749,111.788 134.265,110.272 135.839,110.272 136.906,109.205 138.064,109.205 v1(138.43,108.839)
VG5: J3.9 RP4.1 RP4.2 U1.45 | length 141.1
  Top Layer w0.2: J3.9@64.516,102.743 65.786,101.473 80.018,101.473 88.756,92.735 115.658,92.735 v1(118.872,95.948) ; U1.45@131.708,110.439 133.655,110.439 134.239,109.855 137.599,109.855 137.922,110.178 139.515,110.178 142.644,113.307 142.644,117.437 158.907,133.701 158.907,135.128 160.498,136.719 161.39,136.719 RP4.1@162.047,137.376 RP4.2@162.922,137.376
  Bottom Layer w0.2: v1(118.872,95.948) 118.872,95.982 120.741,97.851 120.741,103.586 119.309,105.018 119.309,109.874 121.624,112.188 132.915,112.188 134.431,110.672 136.47,110.672 v1(137.287,109.855)
VR0: J3.10 RP3.1 U1.46 | length 151.9
  Top Layer w0.2: J3.10@67.056,102.743 79.314,102.743 88.922,93.135 115.106,93.135 v1(118.999,97.028) ; U1.46@131.708,110.939 133.917,110.939 134.239,110.617 137.795,110.617 v1(138.43,111.252) 138.677,111.499 139.827,111.499 142.244,113.915 142.244,117.603 158.507,133.867 158.507,139.446 159.523,140.462 169.672,140.462 170.683,141.473 RP3.1@170.683,142.964
  Bottom Layer w0.2: v1(118.999,97.028) 119.184,97.028 120.341,98.185 120.341,103.421 118.909,104.852 118.909,110.039 121.458,112.588 133.081,112.588 134.597,111.072 138.25,111.072 v1(138.43,111.252)
VR1: J3.7 RP2.3 U1.47 | length 151.7
  Top Layer w0.2: J3.7@64.516,105.283 65.786,104.013 78.61,104.013 89.088,93.535 114.109,93.535 v1(118.11,97.536) v1@118.11,97.282 ; U1.47@131.708,111.439 134.135,111.439 134.449,111.125 136.652,111.125 137.529,112.002 139.458,112.002 141.843,114.386 141.843,117.768 158.026,133.951 158.026,139.573 158.068,139.573 159.357,140.862 167.659,140.862 168.04,141.243 RP2.3@168.04,142.964
  Bottom Layer w0.2: v1(118.11,97.536) 118.252,97.678 119.268,97.678 119.941,98.351 119.941,103.255 118.509,104.687 118.509,110.205 121.292,112.988 123.917,112.988 123.952,113.023 123.952,112.988 133.246,112.988 134.762,111.472 136.872,111.472 v1(137.287,111.887)
VR2: J3.8 RP2.1 U1.48 | length 148.4
  Top Layer w0.2: J3.8@67.056,105.283 68.961,105.283 77.905,105.283 89.253,93.935 113.493,93.935 117.983,98.425 v1(118.872,98.425) ; U1.48@131.708,111.939 134.239,111.939 134.493,111.685 136.069,111.685 137.414,113.03 v1(138.43,113.03) 139.845,113.03 141.443,114.628 141.443,117.934 157.626,134.117 157.626,139.739 159.149,141.262 165.9,141.262 166.365,141.727 RP2.1@166.365,142.964
  Bottom Layer w0.2: v1(118.872,98.425) 118.872,99.607 119.541,100.276 119.541,103.089 118.109,104.521 118.109,110.371 121.127,113.388 123.752,113.388 124.738,114.374 132.441,114.374 133.316,113.499 133.316,113.484 134.928,111.872 136.256,111.872 137.414,113.03 v1(138.43,113.03)
VR3: J3.5 RP1.3 U1.50 | length 145.9
  Top Layer w0.2: J3.5@64.516,107.823 65.913,106.426 77.328,106.426 89.419,94.335 113.004,94.335 v1(117.983,99.314) ; U1.50@131.708,112.939 134.305,112.939 134.65,113.284 136.525,113.284 v1(137.414,114.173) 140.422,114.173 140.989,114.74 140.989,118.122 157.226,134.359 157.226,139.904 158.984,141.662 162.941,141.662 163.722,142.443 RP1.3@163.722,142.964
  Bottom Layer w0.2: v1(117.983,99.314) 118.013,99.314 119.141,100.442 119.141,100.995 119.126,101.01 119.126,102.85 117.709,104.267 117.709,110.536 120.961,113.788 123.586,113.788 124.572,114.774 132.607,114.774 133.716,113.665 133.716,113.65 134.097,113.269 136.445,113.269 137.349,114.173 v1(137.414,114.173)
VR4: J3.6 RP1.1 RP1.2 U1.51 | length 138.6
  Top Layer w0.2: 68.453,107.823 J3.6@67.056,107.823 67.162,107.717 76.602,107.717 89.585,94.735 112.418,94.735 v1@118.394,100.711 ; U1.51@131.708,113.439 133.886,113.439 v1(134.366,113.919) 136.017,113.919 137.033,114.935 139.8,114.935 140.562,115.697 140.562,118.337 156.826,134.601 156.826,140.07 158.818,142.062 161.417,142.062 RP1.1@162.047,142.692 ; RP1.1@162.047,142.964 RP1.2@162.922,142.964
  Bottom Layer w0.2: v1(118.491,100.711) 118.491,102.87 117.309,104.052 117.309,110.702 120.795,114.188 123.332,114.188 124.318,115.174 133.111,115.174 v1(134.366,113.919)
VSYNC: R39.2 U1.27 | length 25.6
  Top Layer w0.2: U1.27@125.408,104.639 125.408,103.251 125.73,102.929 125.73,102.049 125.408,101.727 125.408,99.509 127.387,97.53 138.805,97.53 142.24,100.965 R39.2@142.24,102.134
pads on no net: G2.3 J1.3 J1.4 J1.5 J15.2 J15.6 J16.4 J16.9 J16.11 J16.12 J16.15 M1.S M2.S M3.S M4.S RP1.4 RP1.5 RP2.2 RP2.7 RP4.4 RP4.5 RP5.2 RP5.7 RP7.4 RP7.5 RP8.2 RP8.7 sram.1 sram.2 sram.21 sram.22 sram.23 sram.24 sram.25 sram.42 sram.43 sram.44 U1.72 U2.2 U2.3 U2.6 U2.9 U2.10 U2.11 U2.12 U10.1 U10.2 U10.4 U10.5 U10.6 U10.7 U10.14 U10.16 U10.19 U10.21
copper on no net:
  other v1: 160.117,99.06 160.782,99.441 160.147,99.822

## Polygon pours and split planes (outlines as drawn)
+3.3V on Top Layer "Top Layer-1" (solid, pour order 2): 152.209,138.989 152.362,138.837 154.368,138.837 154.368,138.303 153.48,137.414 153.225,137.16 147.764,137.16 147.764,138.303 147.892,138.176 152.209,138.176
GND on Top Layer "Bottom Layer-No Net" (solid, remove dead copper, pour order 19): 188.214,156.972 188.595,156.591 189.611,156.591 189.865,156.591 191.262,155.194 192.151,154.305 192.151,153.289 192.151,151.257 192.133,151.239 192.133,81.026 192.133,79.611 191.516,78.994 190.246,77.724 190.119,77.724 189.738,77.343 189.26,76.865 187.071,76.865 54.707,76.865 52.451,79.121 52.07,79.502 52.07,81.33 52.07,154.051 54.864,156.845 54.884,156.865 58.039,156.865
+3.3V on Bottom Layer "Top Layer-No Net" (solid, pour order 4): 114.681,120.142 114.681,117.856 99.441,117.856 99.314,117.983 99.441,118.11 99.441,120.142 99.314,120.015
GND on Bottom Layer "Bottom Layer-No Net" (solid, remove dead copper, pour order 17): 192.133,151.003 192.151,151.021 192.151,153.289 192.151,154.051 191.643,154.559 191.008,155.194 191.008,155.575 190.627,155.575 189.738,156.464 189.357,156.845 188.214,156.845 184.15,156.845 184.023,156.972 183.934,156.883 56.515,156.883 55.156,156.883 54.737,156.464 54.61,156.337 54.229,156.337 53.086,155.194 52.197,154.305 52.197,153.924 52.197,152.654 52.07,152.527 52.07,80.645 52.07,79.629 53.086,78.613 54.737,76.962 55.499,76.962 57.531,76.962 57.658,76.835 57.688,76.865 187.668,76.865 188.879,76.865 189.103,77.089 189.23,77.216 189.611,77.216 189.865,77.216 191.008,78.359 191.897,79.248 191.897,80.01 191.897,80.79 192.133,81.026

## Keep-outs
Keep-Out Layer:
  lines w0.254: 52.05,152.692 cw(c56.378,152.555) 56.515,156.883 ; 52.07,81.33 ccw(c56.398,81.193) 56.261,76.865 ; 187.668,76.835 ccw(c187.805,81.163) 192.133,81.026 ; 187.96,156.865 cw(c187.823,152.537) 192.151,152.4
  lines w0.3: 52.07,81.33 52.07,152.692 ; 56.261,76.865 187.668,76.865 ; 56.515,156.883 57.188,156.883 57.17,156.865 187.96,156.865 ; 192.133,81.026 192.133,152.4

## Silkscreen, mask and mechanical layers (free items; w line width, h text height)
Top Overlay:
  rectangle: 169.558,152.171 171.717,154.076
  rectangle: 100.051,92.964 117.805,96.139
  rectangle: 169.558,147.853 171.717,149.758
  rectangle: 169.558,150.012 171.717,151.917
  lines w0.203: 100.051,92.964 100.051,95.345 100.051,96.139 ; 96.114,92.964 117.831,92.964 117.831,96.139 96.114,96.139 96.114,92.964
  lines w0.254: 70.993,91.313 75.819,91.313 ; 70.993,93.853 75.819,93.853 ; 70.993,96.393 75.819,96.393 ; 70.993,98.933 75.819,98.933 ; 70.993,101.473 75.946,101.473 ; 70.993,104.013 75.946,104.013 ; 70.993,106.553 75.946,106.553 ; 70.993,109.093 75.946,109.093 ; 70.993,111.76 75.946,111.76 ; 70.993,124.587 75.946,124.587 ; 70.993,127.127 75.946,127.127 ; 70.993,129.667 75.946,129.667 ; 70.993,132.207 75.946,132.207 ; 70.993,134.747 75.946,134.747 76.073,134.62 ; 70.993,137.287 76.073,137.287 ; 70.993,139.827 76.073,139.827 ; 70.993,142.367 76.073,142.367 ; 73.533,88.9 73.533,114.3 ; 73.533,122.174 73.533,145.034 ; 167.145,152.044 169.431,152.044 ; 167.145,154.203 171.717,154.203 ; 167.272,149.885 169.431,149.885 ; 169.431,147.726 169.431,154.203 ; 70.993,88.9 70.993,114.3 76.073,114.3 76.073,88.9 70.993,88.9 ; 70.993,122.174 76.073,122.174 76.073,145.034 70.993,145.034 70.993,122.174 ; 167.145,147.726 171.844,147.726 171.844,148.107 171.844,155.448 167.145,155.448 167.145,147.726
  text "T1" at 167.653,152.679 h1.02
  text "T2" at 167.538,150.495 h1.02
  text "IR" at 138.049,148.717 h1.52
  text "T3" at 167.538,148.336 h1.02
  text "ADC1" at 151.257,146.431 h1.52
  text "3V3" at 71.501,143.383 h1.23
  text "GND" at 73.787,143.383 h1.23
  text "LED1" at 92.583,140.97 h1.52
  text "LED2" at 99.06,140.97 h1.52
  text "LED3" at 105.537,140.97 h1.52
  text "LED4" at 112.014,140.97 h1.52
  text "POWER/ON" at 116.586,140.843 h1.52
  text "P66" at 71.501,140.716 h1.23
  text "P67" at 74.041,140.716 h1.23
  text "P85" at 71.501,138.176 h1.23
  text "P111" at 73.914,138.176 h1.23
  text "IMU" at 96.901,137.16 h1.52
  text "P83" at 71.501,135.763 h1.23
  text "P84" at 74.041,135.763 h1.23
  text "P81" at 71.501,133.223 h1.23
  text "P82" at 74.041,133.223 h1.23
  text "P79" at 71.501,130.556 h1.23
  text "P80" at 74.041,130.556 h1.23
  text "P75" at 71.501,128.016 h1.23
  text "P78" at 74.168,128.016 h1.23
  text "P99" at 71.628,125.476 h1.23
  text "P74" at 74.041,125.476 h1.23
  text "P101" at 71.374,123.063 h1.23
  text "P100" at 73.787,123.063 h1.23
  text "3V3" at 71.501,112.776 h1.23
  text "GND" at 73.914,112.776 h1.23
  text "P57" at 71.501,109.982 h1.23
  text "P58" at 74.041,109.982 h1.23
  text "P50" at 71.501,107.442 h1.23
  text "P51" at 74.041,107.442 h1.23
  text "P47" at 71.628,104.902 h1.23
  text "P48" at 74.041,104.902 h1.23
  text "P45" at 71.628,102.362 h1.23
  text "P46" at 74.168,102.362 h1.23
  text "USB" at 176.403,100.965 h1.52
  text "P43" at 71.628,99.822 h1.23
  text "P44" at 74.041,99.822 h1.23
  text "P40" at 71.628,97.282 h1.23
  text "P41" at 74.041,97.282 h1.23
  text "SPARTAN-6" at 96.139,97.028 h3.05
  text "P34" at 71.628,94.742 h1.23
  text "P35" at 74.041,94.742 h1.23
  text "S.N" at 96.495,93.726 h1.52
  text "P33" at 71.628,92.202 h1.23
  text "P30" at 74.168,92.202 h1.23
  text "GND" at 71.374,89.789 h1.23
  text "5V" at 74.295,89.662 h1.23
  text "KEY1" at 99.822,88.9 h1.52
  text "KEY2" at 111.379,88.773 h1.52
  text "KEY3" at 122.682,88.519 h1.52
  text "KEY4" at 131.445,82.423 h1.52 r90

## Text inside footprints (layer, text, board x,y; h text height)
J1: Top Overlay "10" at 70.124,149.298 h0.45; Top Overlay "9" at 70.358,151.892 h0.45; Top Overlay "1" at 85.09,152.146 h0.45; Top Overlay "2" at 84.963,149.606 h0.45
J3: Top Overlay "1" at 64.262,114.681 h0.45 r270; Top Overlay "2" at 66.675,114.808 h0.45 r270; Top Overlay "19" at 64.262,88.646 h0.45 r270; Top Overlay "20" at 66.802,88.773 h0.45 r270
J4: Mechanical 1 "PCB Edge" at 191.572,87.947 h0.25 r90
ov7670: Top Overlay "1" at 64.389,145.542 h0.45 r270; Top Overlay "17" at 64.262,122.047 h0.45 r270; Top Overlay "18" at 66.802,122.047 h0.45 r270; Top Overlay "2" at 66.802,145.669 h0.45 r270